# Allegro board ADALM-PLUTO Layout.brd
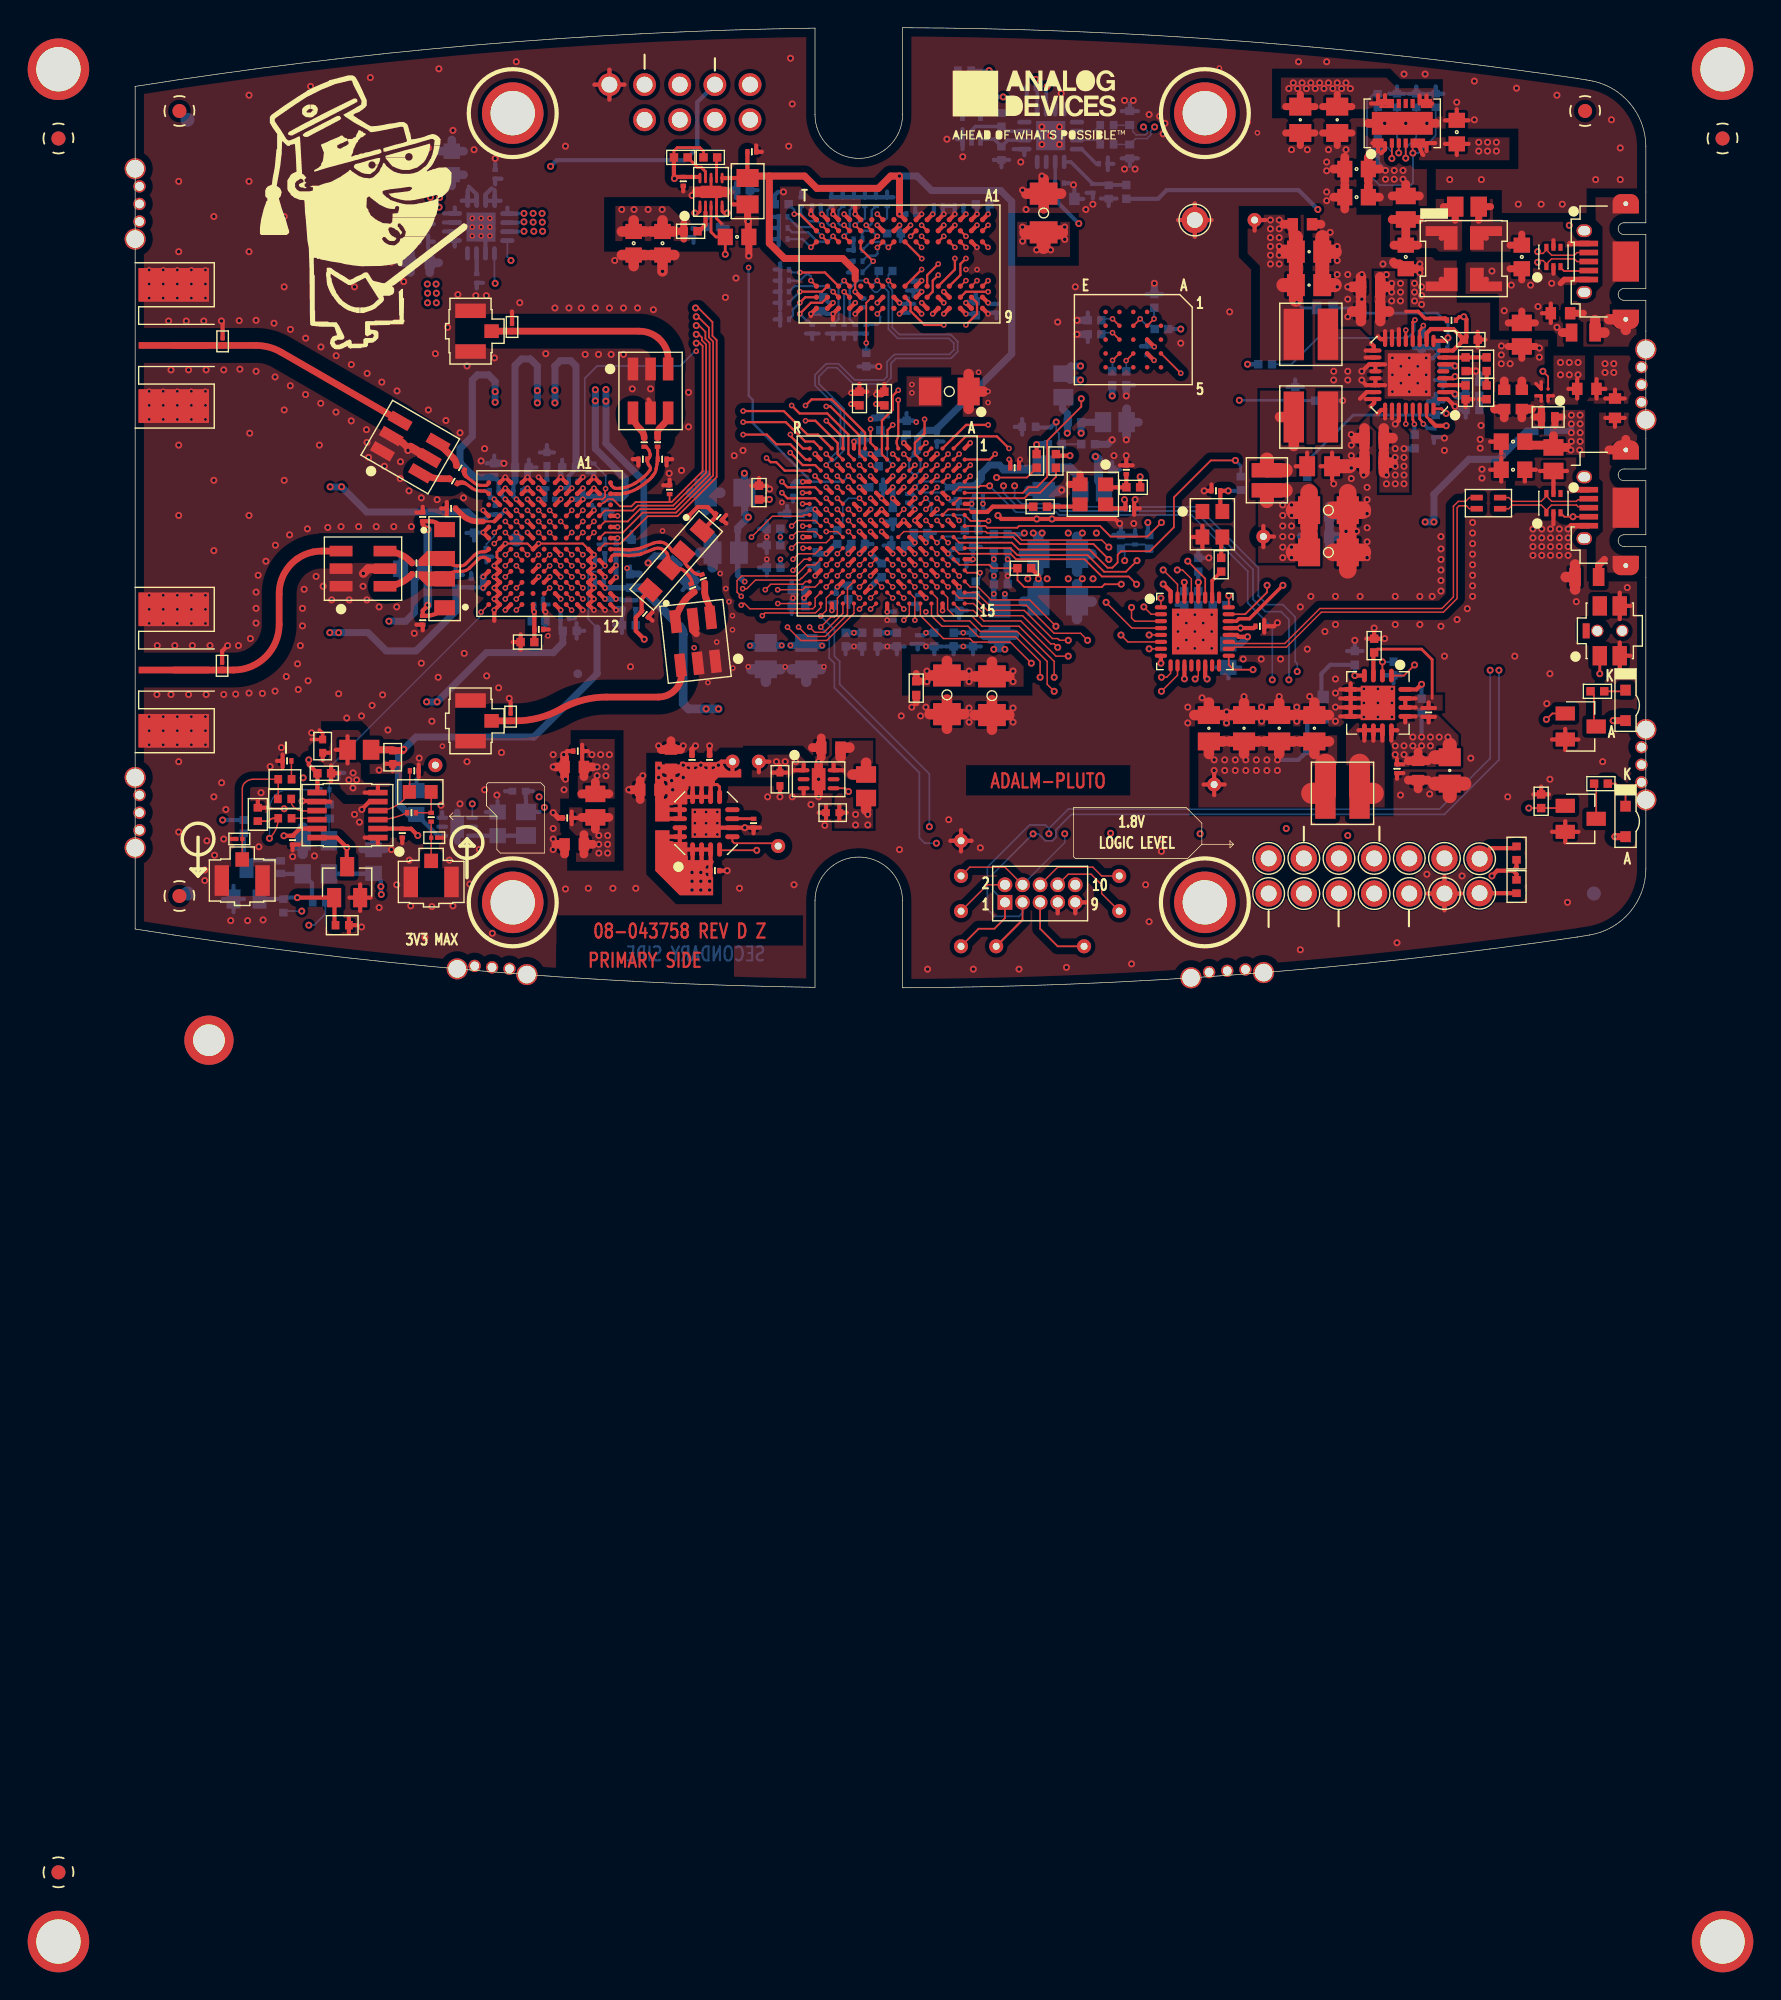
[diagram p0: board, top side]
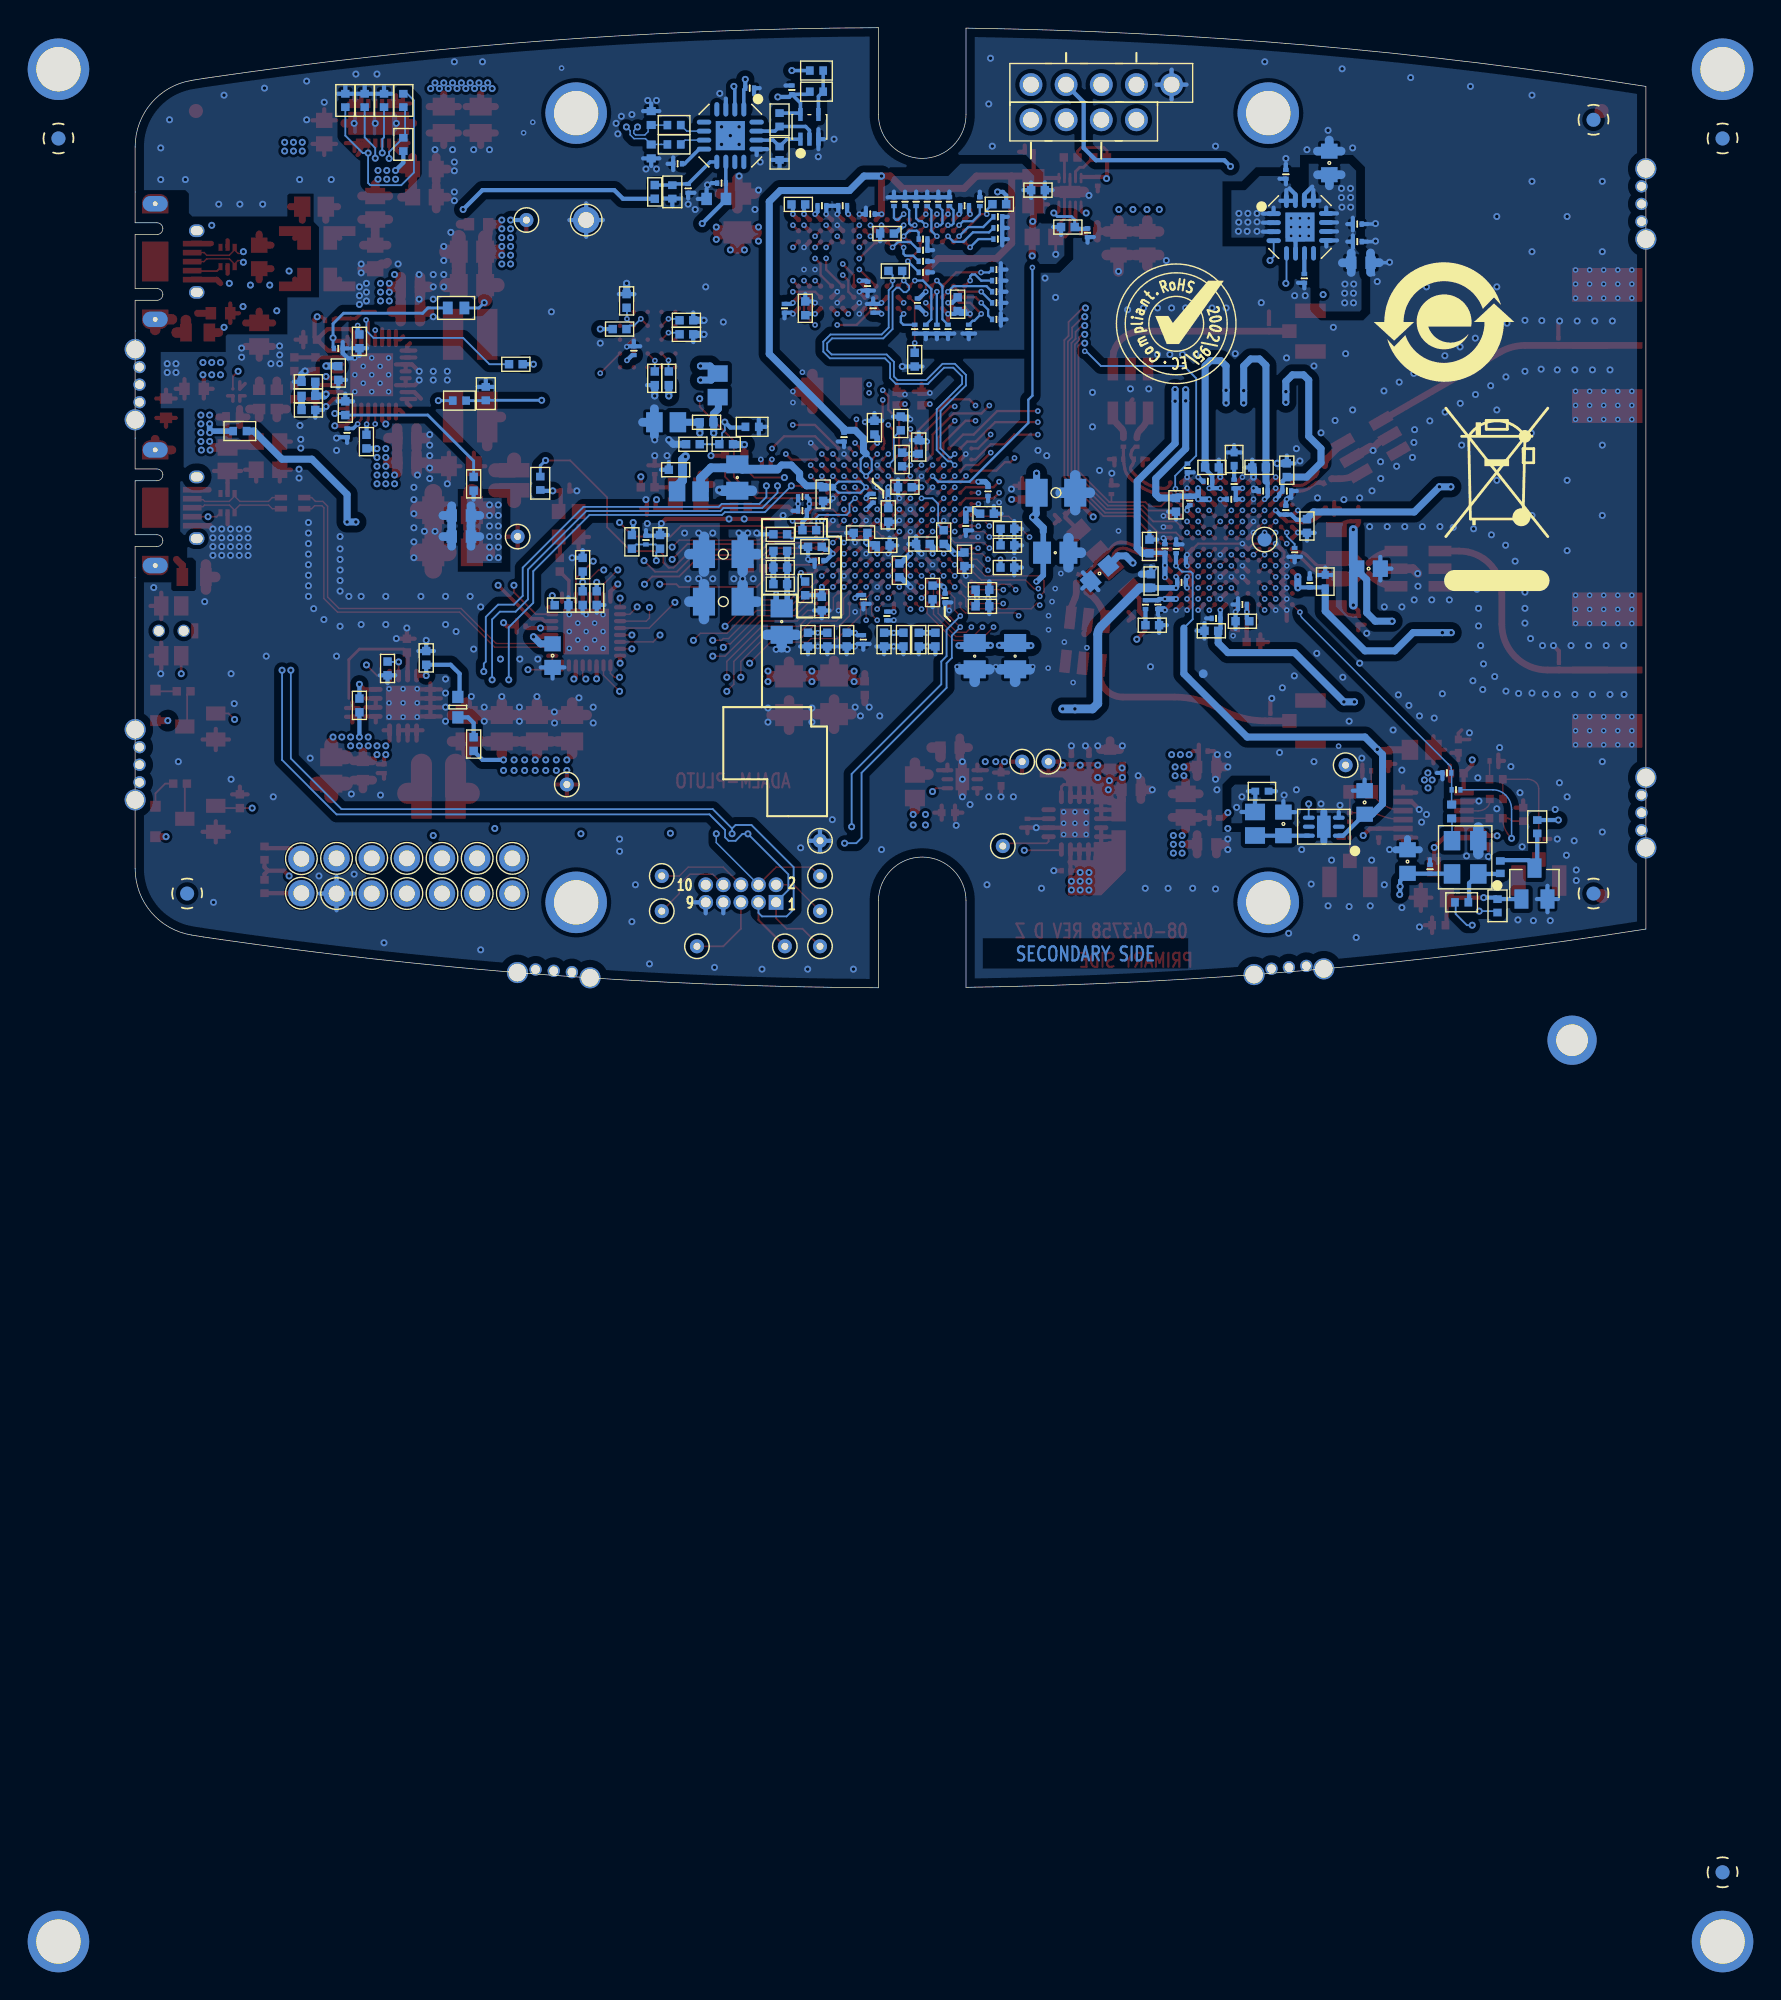
[diagram p1: board, bottom side, seen from below]

Outline 109.14 x 69.34 mm; copper layers: TOP, L2_GND, L3_PWR, L4_GND, L5_SIG, L6_SIG, L7_GND, L8_PWR, L9_GND, BOTTOM. Coordinates in mm from the lower left corner of the outline.
Outline path: 0,65.1 arc(24.48,68.08) 49.11,69.31 49.11,63.06 arc(52.28,59.9) 55.44,63.06 55.44,69.34 arc(79.87,68.37) 104.18,65.67 105.05,65.53 arc(107.98,63.88) 109.14,60.73 109.14,57.47 109.14,55.25 107.56,55.25 arc(107.26,55.12) 107.14,54.82 arc(107.26,54.52) 107.56,54.4 109.14,54.4 109.14,50.5 107.56,50.5 arc(107.26,50.37) 107.14,50.07 arc(107.26,49.77) 107.56,49.65 109.14,49.65 109.14,37.47 107.56,37.47 arc(107.26,37.34) 107.14,37.04 arc(107.26,36.74) 107.56,36.62 109.14,36.62 109.14,32.72 107.56,32.72 arc(107.26,32.59) 107.14,32.29 arc(107.26,31.99) 107.56,31.87 109.14,31.87 109.14,29.65 109.14,8.61 arc(107.98,5.45) 105.05,3.81 104.18,3.67 arc(79.87,0.97) 55.44,0 55.44,6.28 arc(52.28,9.44) 49.11,6.28 49.11,0.03 arc(24.48,1.26) 0,4.24 0,65.1

## Design rules (mm)
constraint set DEFAULT: min track width 0.127
net group DDR3_CK: nets DDR3_CK_N DDR3_CK_P
net group DDR3_DQS0: nets DDR3_DQS0_N DDR3_DQS0_P
net group DDR3_DQS1: nets DDR3_DQS1_N DDR3_DQS1_P
net group DP1: nets UNNAMED_9_CHOKE4P_I350_N2 UNNAMED_9_CHOKE4P_I350_N3
net group RX1A: nets RX1A_N RX1A_P
net group RX2A: nets RX2A_N RX2A_P
net group TX1A: nets TX1A_N TX1A_P
net group TX2A: nets TX2A_N TX2A_P
net group UART: nets UART_RX UART_TX
net group USB_OTG: nets USB_OTG_N USB_OTG_P
net group USB_UART: nets USB_UART_N USB_UART_P
net group CTRL_IN: nets CTRL_IN0 CTRL_IN1 CTRL_IN2 CTRL_IN3
net group CTRL_OUT: nets IO_L08_34_CTRL_OUT0 IO_L08_34_CTRL_OUT1 IO_L13_34_CTRL_OUT2 IO_L13_34_CTRL_OUT3 IO_L21_34_CTRL_OUT4 IO_L21_34_CTRL_OUT5 IO_L22_34_CTRL_OUT6 IO_L22_34_CTRL_OUT7
net group JTAG: nets JTAG_TCK JTAG_TDI JTAG_TDO JTAG_TMS
net group PWR: nets VCCPLL VDD33_USB VDDA1P1_RX_VCO VTTVREF
net group QSPI: nets PS_MIO01_500_QSPI0_SS_B PS_MIO02_500_QSPI0_IO0 PS_MIO03_500_QSPI0_IO1 PS_MIO04_500_QSPI0_IO2 PS_MIO05_500_QSPI0_IO3 PS_MIO06_500_QSPI0_SCLK
net group RF: nets UNNAMED_7_CAP_I57_N2 UNNAMED_7_CAP_I58_N2 UNNAMED_7_CAP_I85_N1 UNNAMED_7_CAP_I86_N1 UNNAMED_7_CAP_I116_N1 UNNAMED_7_CAP_I117_N1 UNNAMED_7_CAP_I118_N2 UNNAMED_7_CAP_I119_N2 UNNAMED_7_CNBNC3P_I43_CNTR UNNAMED_7_CNBNC3P_I74_CNTR UNNAMED_7_CNBNC5P_I64_CNTR UNNAMED_7_CNBNC5P_I83_CNTR
net group RX: nets IO_L01_34_RX_D0 IO_L01_34_RX_D1 IO_L02_34_RX_D2 IO_L02_34_RX_D3 IO_L03_34_RX_D4 IO_L03_34_RX_D5 IO_L04_34_RX_D6 IO_L04_34_RX_D7 IO_L05_34_RX_D8 IO_L05_34_RX_D9 IO_L06_34_RX_D10 IO_L06_34_RX_D11 IO_L07_34_RX_FRAME IO_L12_MRCC_34_DATA_CLK
net group SPI: nets IO_L23_35_SPI_CLK IO_L23_35_SPI_ENB IO_L24_35_SPI_DI IO_L24_35_SPI_DO
net group TX: nets IO_L01_34_FB_CLK IO_L09_34_TX_FRAME IO_L15_34_TX_D0 IO_L15_34_TX_D1 IO_L16_34_TX_D2 IO_L16_34_TX_D3 IO_L17_34_TX_D4 IO_L17_34_TX_D5 IO_L18_34_TX_D6 IO_L18_34_TX_D7 IO_L19_34_TX_D8 IO_L19_34_TX_D9 IO_L20_34_TX_D10 IO_L20_34_TX_D11
net group USB_ULPI: nets PS_MIO28_501_USB0_D4 PS_MIO29_501_USB0_DIR PS_MIO30_501_USB0_STP PS_MIO31_501_USB0_NXT PS_MIO32_501_USB0_D0 PS_MIO33_501_USB0_D1 PS_MIO34_501_USB0_D2 PS_MIO35_501_USB0_D3 PS_MIO36_501_USB0_CLK PS_MIO37_501_USB0_D5 PS_MIO38_501_USB0_D6 PS_MIO39_501_USB0_D7

## Placement (name value [footprint] x y rotation side)
AD9361_CLKOUT  TESTPAD  [TPSMC40#2]  27.55 32.37 180 bottom
ADC  613 001 111 21  [CNHDR1X1H344]  44.42 65.22 180 bottom
C1  0.1uF  [C0201]  26.01 58.75 89.8 bottom
C2  0.01uF  [C0201]  24.67 51.23 269.8 bottom
C3  10uF  [C0603#2]  22.87 59.57 89.8 bottom
C4  10uF  [C0603]  20.59 52.36 179.8 bottom
C5  0.1uF  [C0201]  20.85 53.88 179.8 bottom
C6  0.1uF  [C0201]  20.85 55.15 179.8 bottom
C7  0.1uF  [C0201]  93.83 40.08 90 bottom
C8  0.1uF  [C0201]  91.16 15.82 270 top
C9  10uF  [C0603]  92.68 15.69 270 top
C10  0.1uF  [C0201]  41.88 8.46 0 top
C11  47uF  [C0805H60]  94.97 15.69 270 top
C12  0.01uF  [C0201]  44.68 11.88 270 top
C13  0.1uF  [C0201#2]  89.51 24.71 90 top
C14  10uF  [C0603]  38.71 16.51 90 top
C15  10uF  [C0603]  37.18 14.3 180 top
C16  0.1uF  [C0201]  40.23 16.46 90 top
C17  47uF  [C0805H60]  82.65 18.74 90 top
C18  0.1uF  [C0201]  41.5 16.46 90 top
C19  47uF  [C0805H60]  77.57 18.74 90 top
C20  47uF  [C0805H60]  80.11 18.74 90 top
C21  47uF  [C0805H60]  85.19 18.74 90 top
C22  10uF  [C0603]  31.72 10.36 180 top
C23  0.01uF  [C0201]  31.65 36.58 0 bottom
C24  0.01uF  [C0201]  25.94 35.88 180 bottom
C25  0.1uF  [C0201]  31.21 12.27 180 top
C26  0.01uF  [C0201]  31.05 26.68 0 bottom
C27  0.01uF  [C0201]  34.75 31.72 90 bottom
C28  1UF  [C0402H22#2]  31.35 37.58 180 bottom
C29  1UF  [C0402H22#2]  25.94 37.38 90 bottom
C30  1UF  [C0402H22#2]  31.39 25.78 0 bottom
C31  1UF  [C0402H22#2]  35.86 31.87 90 bottom
C32  10uF  [C0603]  31.72 15.95 180 top
C33  0.1uF  [C0201]  31.98 17.09 180 top
C34  1UF  [C0402H22#2]  27.94 37.58 0 bottom
C35  1UF  [C0402H22#2]  35.75 29.38 90 bottom
C36  1UF  [C0402H22#2]  24.48 33.35 270 bottom
C37  1UF  [C0402H22#2]  33.95 34.88 270 bottom
C38  1UF  [C0402H22#2]  29.15 26.47 0 bottom
C39  0.01uF  [C0201]  27.64 35.88 0 bottom
C40  0.01uF  [C0201]  33.54 29.28 180 bottom
C41  0.01uF  [C0201]  26.01 34.49 90 bottom
C42  0.01uF  [C0201]  32.95 35.18 270 bottom
C43  0.01uF  [C0201]  29.16 25.88 0 top
C44  0.01uF  [C0201]  29.15 27.68 0 bottom
C45  1UF  [C0402H22#2]  28.34 24.97 180 top
C46  0.1uF  [C0201]  71.85 34.62 0 top
C47  0.1uF  [C0201]  72.24 32.33 90 bottom
C48  0.1uF  [C0201]  73.11 46.01 90 bottom
C49  100uF  [C1206H71]  66.65 31.32 0 bottom
C50  4.7uF  [C0402]  62.53 31.55 0 bottom
C51  0.47uF  [C0402]  47.6 34.24 180 bottom
C52  0.1uF  [C0201]  60.93 35.45 0 bottom
C53  0.01uF  [C0201]  60.93 34.45 0 bottom
C54  100uF  [C1206H71]  58.82 43.06 0 top
C55  4.7uF  [C0402]  55.73 40.45 90 bottom
C56  0.47uF  [C0402]  45.07 35.76 90 top
C57  0.47uF  [C0402]  54.13 42.55 90 top
C58  0.47uF  [C0402]  52.33 42.55 90 top
C59  0.47uF  [C0402]  52.53 39.05 90 bottom
C60  0.1uF  [C0201]  63.54 37.56 0 top
C61  0.01uF  [C0201]  47.52 35.85 270 bottom
C62  0.01uF  [C0201]  39.6 58.24 90 top
C63  0.01uF  [C0201]  56.03 55.88 180 bottom
C64  100uF  [C1206H71]  61.9 21.09 270 top
C65  47uF  [C0805H60]  48.49 23.95 270 bottom
C66  4.7uF  [C0402]  53.93 30.15 270 bottom
C67  4.7uF  [C0402]  52.53 25.14 270 bottom
C68  0.47uF  [C0402]  56.43 21.64 270 top
C69  0.47uF  [C0402]  60.03 31.85 0 bottom
C70  0.47uF  [C0402]  54.73 34.15 270 bottom
C71  100uF  [C1206H71]  58.65 21.16 270 top
C72  0.47uF  [C0402]  52.23 32.05 0 bottom
C73  4.7uF  [C0402]  53.53 36.15 0 bottom
C74  0.47uF  [C0402]  55.13 31.95 180 bottom
C75  0.47uF  [C0402]  56.73 32.85 0 bottom
C76  100uF  [C1206H71]  42.62 35.75 180 bottom
C77  47uF  [C0805H60]  42.67 31.42 180 bottom
C78  4.7uF  [C0402]  46.12 31.95 180 bottom
C79  10uF  [C0603#2]  43.48 54.23 0 top
C80  0.01uF  [C0201]  40.33 54.53 270 bottom
C81  0.22UF  [C0805H53]  44.25 57.53 270 top
C82  10uF  [C0603#2]  36.02 53.77 270 top
C83  10uF  [C0603#2]  38.1 53.77 270 top
C84  0.01uF  [C0201]  44.55 60.37 0 top
C85  47uF  [C0805H60]  65.64 36.85 270 bottom
C86  4.7uF  [C0402]  49.72 49.37 270 bottom
C87  4.7uF  [C0402]  60.73 49.07 90 bottom
C88  0.47uF  [C0402]  61.23 56.58 180 bottom
C89  0.47uF  [C0402]  54.82 54.47 0 bottom
C90  0.47uF  [C0402]  46.12 33.15 180 bottom
C91  0.1uF  [C0201]  55.82 49.07 90 bottom
C92  0.1uF  [C0201]  56.22 50.67 270 bottom
C93  0.47uF  [C0402]  67.86 40.84 0 bottom
C94  0.1uF  [C0201]  59.52 56.48 180 bottom
C95  0.1uF  [C0201]  58.02 56.48 0 bottom
C96  0.1uF  [C0201]  49.22 56.47 180 bottom
C97  0.1uF  [C0201]  62.23 49.07 270 bottom
C98  0.1uF  [C0201]  55.83 35.35 90 bottom
C99  0.01uF  [C0201]  57.92 39.76 90 bottom
C100  100uF  [C1206H71]  65.63 55.95 90 top
C101  4.7uF  [C0402]  43.91 57.6 180 bottom
C102  0.01uF  [C0201]  52.62 49.47 270 bottom
C103  47uF  [C0805H60]  62.43 26.44 270 bottom
C104  47uF  [C0805H60]  45.57 23.95 270 bottom
C105  4.7uF  [C0402]  55.03 25.14 270 bottom
C106  4.7uF  [C0402]  51.33 25.14 270 bottom
C107  4.7uF  [C0402]  60.53 25.14 270 bottom
C108  4.7uF  [C0402]  46.13 30.35 180 bottom
C109  0.47uF  [C0402]  53.63 25.14 270 bottom
C110  0.47uF  [C0402]  51.53 28.55 270 bottom
C111  0.47uF  [C0402]  59.53 27.74 270 bottom
C112  0.47uF  [C0402]  47.93 28.75 180 bottom
C113  0.47uF  [C0402]  59.13 25.14 270 bottom
C114  0.47uF  [C0402]  47.93 27.55 180 bottom
C115  0.47uF  [C0402]  57.74 25.14 270 bottom
C116  0.47uF  [C0402]  49.22 30.95 270 bottom
C117  0.1uF  [C0201]  56.53 25.14 270 bottom
C118  0.1uF  [C0201]  50.63 28.15 270 bottom
C119  0.01uF  [C0201]  54.83 26.85 270 bottom
C120  0.01uF  [C0201]  49.13 33.35 270 bottom
C121  10uF  [C0603#2]  17.22 9.12 90 bottom
C122  0.1uF  [C0201]  15.59 8.56 90 bottom
C123  1UF  [C0402H22]  27.74 14.2 180 bottom
C124  18PF  [C0201]  14.37 15.52 0 bottom
C125  0.001uF  [C0201]  29.94 35.28 180 bottom
C126  1UF  [C0402H22]  29.74 38.18 270 bottom
C127  1UF  [C0402H22#2]  35.66 26.18 179.9 bottom
C128  0.001uF  [C0201]  35.25 27.67 270 bottom
C129  0.001uF  [C0201]  20.78 26.54 90 top
C130  18PF  [C0201]  41.04 29.54 289.4 top
C131  18PF  [C0201]  20.32 29.86 180 top
C132  18PF  [C0201]  20.32 30.67 180 top
C133  18PF  [C0201]  22.98 36.59 330 top
C134  18PF  [C0201]  23.49 37.55 330 top
C135  10uF  [C0603]  89.51 39.7 180 top
C136  10uF  [C0603]  89.25 48.84 180 top
C137  10uF  [C0603]  89.51 37.92 180 top
C138  10uF  [C0603]  89.25 50.62 180 top
C139  0.047UF  [C0402]  92.94 46.68 90 bottom
C140  1UF  [C0402H22#2]  76.81 30.55 90 bottom
C141  1UF  [C0402H22#2]  96.49 46.81 0 top
C142  150pF  [C0402]  96.62 43.76 180 bottom
C143  180PF  [C0402]  96.11 45.03 90 top
C144  0.0033uF  [C0402]  97.64 45.03 270 top
C145  47uF  [C0805H60]  84.81 53.16 0 top
C146  22UF  [C0805]  85.57 37.67 0 top
C147  5.6NF  [C0402H22#2]  96.62 41.73 0 bottom
C148  47uF  [C0805H60]  84.81 50.75 0 top
C149  100uF  [C1206H71]  86.21 31.44 0 top
C150  100uF  [C1206H71]  86.21 34.49 0 top
C151  10uF  [C0603]  84.33 55.14 0 top
C152  10uF  [C0603]  85.57 34.11 0 bottom
C153  10uF  [C0603]  85.57 32.59 0 bottom
C154  1UF  [C0402H22#2]  75.79 28.14 270 bottom
C155  10uF  [C0603#2]  20.03 30.27 180 bottom
C156  18PF  [C0201]  40.28 28.88 290.2 top
C157  18PF  [C0201]  13.71 14.3 0 bottom
C158  100uF  [C1206H71]  66.65 27.89 0 bottom
C159  4.7uF  [C0402]  62.53 30.35 0 bottom
C160  0.47uF  [C0402]  62.53 29.15 0 bottom
C161  0.1uF  [C0201]  56.53 28.05 270 bottom
C162  0.01uF  [C0201]  59.73 30.85 0 bottom
C163  0.1uF  [C0201]  78.08 35.89 0 top
C164  0.1uF  [C0201]  81.25 26.11 0 top
C165  2.2UF  [C0603#2]  78.98 23.99 270 bottom
C166  0.001uF  [C0201]  42.16 34.01 139 top
C167  10uF  [C0603#2]  39.47 29.92 318.8 bottom
C168  1UF  [C0402H22#2]  76.81 28.14 270 bottom
C169  1UF  [C0402H22]  50.39 12.65 180 top
C170  1UF  [C0402H22]  46.58 15.06 270 top
C171  2.2UF  [C0603]  98.91 42.49 90 top
C172  2.2UF  [C0603]  100.18 42.49 90 top
C173  10uF  [C0603]  50.26 17.35 180 top
C174  4.7uF  [C0402]  70.09 37.41 0 bottom
C175  18PF  [C0201]  36.78 39.39 270 top
C176  18PF  [C0201]  37.74 39.39 270 top
C177  0.1UF  [C0603]  106.91 41.86 270 top
C178  0.47uF  [C0402]  59.44 35.65 270 bottom
C179  0.01uF  [C0201]  21.39 12.32 90 top
C180  0.01uF  [C0201]  20.17 15.67 0 top
C181  0.1UF  [C0603]  102.97 48.71 0 top
C182  2.2UF  [C0603]  104.87 43.25 0 top
C183  0.1UF  [C0603#2]  99.54 39.44 180 top
C184  47uF  [C0805H60]  86.84 62.68 270 top
C185  47uF  [C0805H60]  84.17 62.68 270 top
C186  0.1uF  [C0201]  64.74 64.97 180 bottom
C187  0.01uF  [C0201]  69.19 57.73 270 bottom
C188  0.1uF  [C0201]  66.77 58.11 0 bottom
C189  0.1uF  [C0201]  69.95 59.51 0 bottom
C190  0.1uF  [C0201]  61.69 64.84 90 bottom
C191  0.01uF  [C0201]  24.28 29.23 90 bottom
C192  1UF  [C0402H22]  23.16 29.33 90 bottom
C193  0.001uF  [C0201]  36.83 27 138.4 top
C194  0.001uF  [C0201]  20.78 34.01 270 top
C195  10uF  [C0603#2]  26.19 11.83 90 bottom
C196  47pF  [C0402#2]  71.85 60.4 90 bottom
C197  47pF  [C0402#2]  71.85 62.81 270 bottom
C198  2.2UF  [C0603#2]  20.32 13.38 90 bottom
C199  1UF  [C0402H22]  18.61 16.65 270 top
C200  1UF  [C0402H22]  13.55 17.45 90 top
C201  0.1uF  [C0201]  11.37 10.66 270 top
C202  0.1uF  [C0201]  19.3 11.17 270 top
C203  0.1uF  [C0201]  33.93 31.7 90 bottom
C204  47pF  [C0402#2]  14.03 12.73 90 bottom
C205  0.01uF  [C0201]  10.97 16.38 180 top
C206  0.1uF  [C0201]  38.61 35.97 90 top
C207  0.001uF  [C0201]  25.37 31.44 90 bottom
C208  0.1uF  [C0201]  33.12 37.54 270 bottom
C209  10uF  [C0603#2]  88.24 59.13 180 top
C210  2.2UF  [C0603#2]  95.48 61.8 90 top
C211  0.1UF  [C0603#2]  99.54 37.41 180 top
C212  0.1UF  [C0603#2]  88.24 57.1 180 top
C213  0.1UF  [C0603#2]  91.79 52.78 270 top
C214  0.1UF  [C0603#2]  100.18 52.78 270 top
C215  2.2UF  [C0603]  67.16 56.97 0 bottom
CLK_IN  U.FL-R-SMT-1(01)  [CNHIROSE-U_FL-R-SMT-1]  21.39 7.64 180 top
CLK_OUT  U.FL-R-SMT-1(01)  [CNHIROSE-U_FL-R-SMT-1]  7.73 7.74 180 top
D1  SP3004-04XTG  [SOT-563]  102.46 35 0 top
D2  SP3004-04XTG  [SOT-563]  102.46 52.78 0 top
D3  ESD8472MUT5G  [DFN2_0_62X0_32]  27.23 47.72 270 top
D4  ESD8472MUT5G  [DFN2_0_62X0_32]  6.32 46.68 270 top
D7  ESD8472MUT5G  [DFN2_0_62X0_32]  21.61 10.84 180 top
D8  ESD8472MUT5G  [DFN2_0_62X0_32]  7.53 10.75 0 top
D9  ESD8472MUT5G  [DFN2_0_62X0_32]  6.28 23.25 270 top
D10  ESD8472MUT5G  [DFN2_0_62X0_32]  27.13 19.58 270 top
DAC1  613 001 111 21  [CNHDR1X1H344]  36.8 65.22 180 bottom
DAC2  613 001 111 21  [CNHDR1X1H344]  36.8 62.68 180 bottom
DS1  LTST-S220TBKT  [LED0804]  107.67 20.39 270 top
DS2  LTST-S220TBKT  [LED0804]  107.67 12.01 270 top
E1  100OHM  [L0805]  69.14 35.85 180 bottom
E2  100OHM  [L0805]  52.8 14.55 90 top
E3  600OHM AT 100MEGHZ  [L0805]  102.46 38.17 270 top
E4  100OHM  [L0805]  33.25 13.15 90 top
E5  100OHM  [L0805]  67.05 43.51 270 bottom
E6  100OHM  [L0805]  70.78 40.84 180 bottom
E7  100OHM  [L0805]  28.24 11.85 270 bottom
E8  100OHM  [L0805]  16.19 17.19 180 top
E9  600OHM AT 100MEGHZ  [L0805]  91.79 56.33 270 top
E10  600OHM AT 100MEGHZ  [L0805]  100.18 47.17 90 top
E11  600OHM AT 100MEGHZ  [L0805]  96.21 56.41 0 top
F1  0.5A  [F0402H20]  102.08 41.22 0 top
GND  WP45  [unnamed#3]  94.59 6.8 180 bottom
GND#2  613 001 111 21  [unnamed#2]  34.26 65.22 180 bottom
GND#3  WP45  [unnamed#3]  76.55 55.45 180 bottom
GND#4  TESTPAD  [unnamed#4]  59.66 10.61 180 bottom
GPO0  613 001 111 21  [CNHDR1X1H344]  44.42 62.68 180 bottom
GPO1  613 001 111 21  [CNHDR1X1H344]  41.88 62.68 180 bottom
GPO2  613 001 111 21  [CNHDR1X1H344]  39.34 62.68 180 bottom
GPO3  613 001 111 21  [CNHDR1X1H344]  39.34 65.22 180 bottom
JTAG_BOOT  TESTPAD  [TPSMC40]  68.55 2.99 180 bottom
L1  330NH  [L0805-F]  40.28 32.22 228.6 top
L2  1.5uH  [LSMSQ157H83]  84.94 47.19 180 top
L3  1.5uH  [LSMSQ157H83]  84.94 41.22 180 top
L4  1uH  [LSMSQ157H83]  87.22 14.04 180 top
L5  270NH  [LSMSQ79H41]  81.76 36.65 270 top
L6  90OHMS AT 100MEGHZ  [L0805-4PH39]  97.76 35 0 top
L7  330NH  [L0805-F]  37.9 29.51 48.8 top
L7N  WP45  [TPC75D45]  97.13 9.32 0 top
L8  330NH  [L0805-F]  22.36 28.49 90 top
L9  330NH  [L0805-F]  22.36 32.05 270 top
L9N  WP45  [TPC75D45]  97.13 6.83 0 top
L10  800OHMS AT 100MEGHZ  [L2020_A]  95.98 52.65 180 top
L10P  WP45  [TPC75D45]  81.89 6.8 180 bottom
L12N  WP45  [TPC75D45]  84.43 6.8 180 bottom
L24N  WP45  [TPC75D45]  81.89 9.34 180 bottom
MIO0  WP45  [TPC75D45]  92.05 9.34 180 bottom
MIO09  WP45  [TPC75D45]  89.51 6.8 180 bottom
MIO10  WP45  [TPC75D45]  92.05 6.8 180 bottom
MIO11  WP45  [TPC75D45]  89.51 9.34 180 bottom
MIO48  WP45  [TPC75D45]  84.43 9.34 180 bottom
MIO49  WP45  [TPC75D45]  86.97 6.8 180 bottom
MIO53  WP45  [TPC75D45]  86.97 9.34 180 bottom